# Altium PCB ssmaster.PcbDoc (part 1 of 3) (continued)
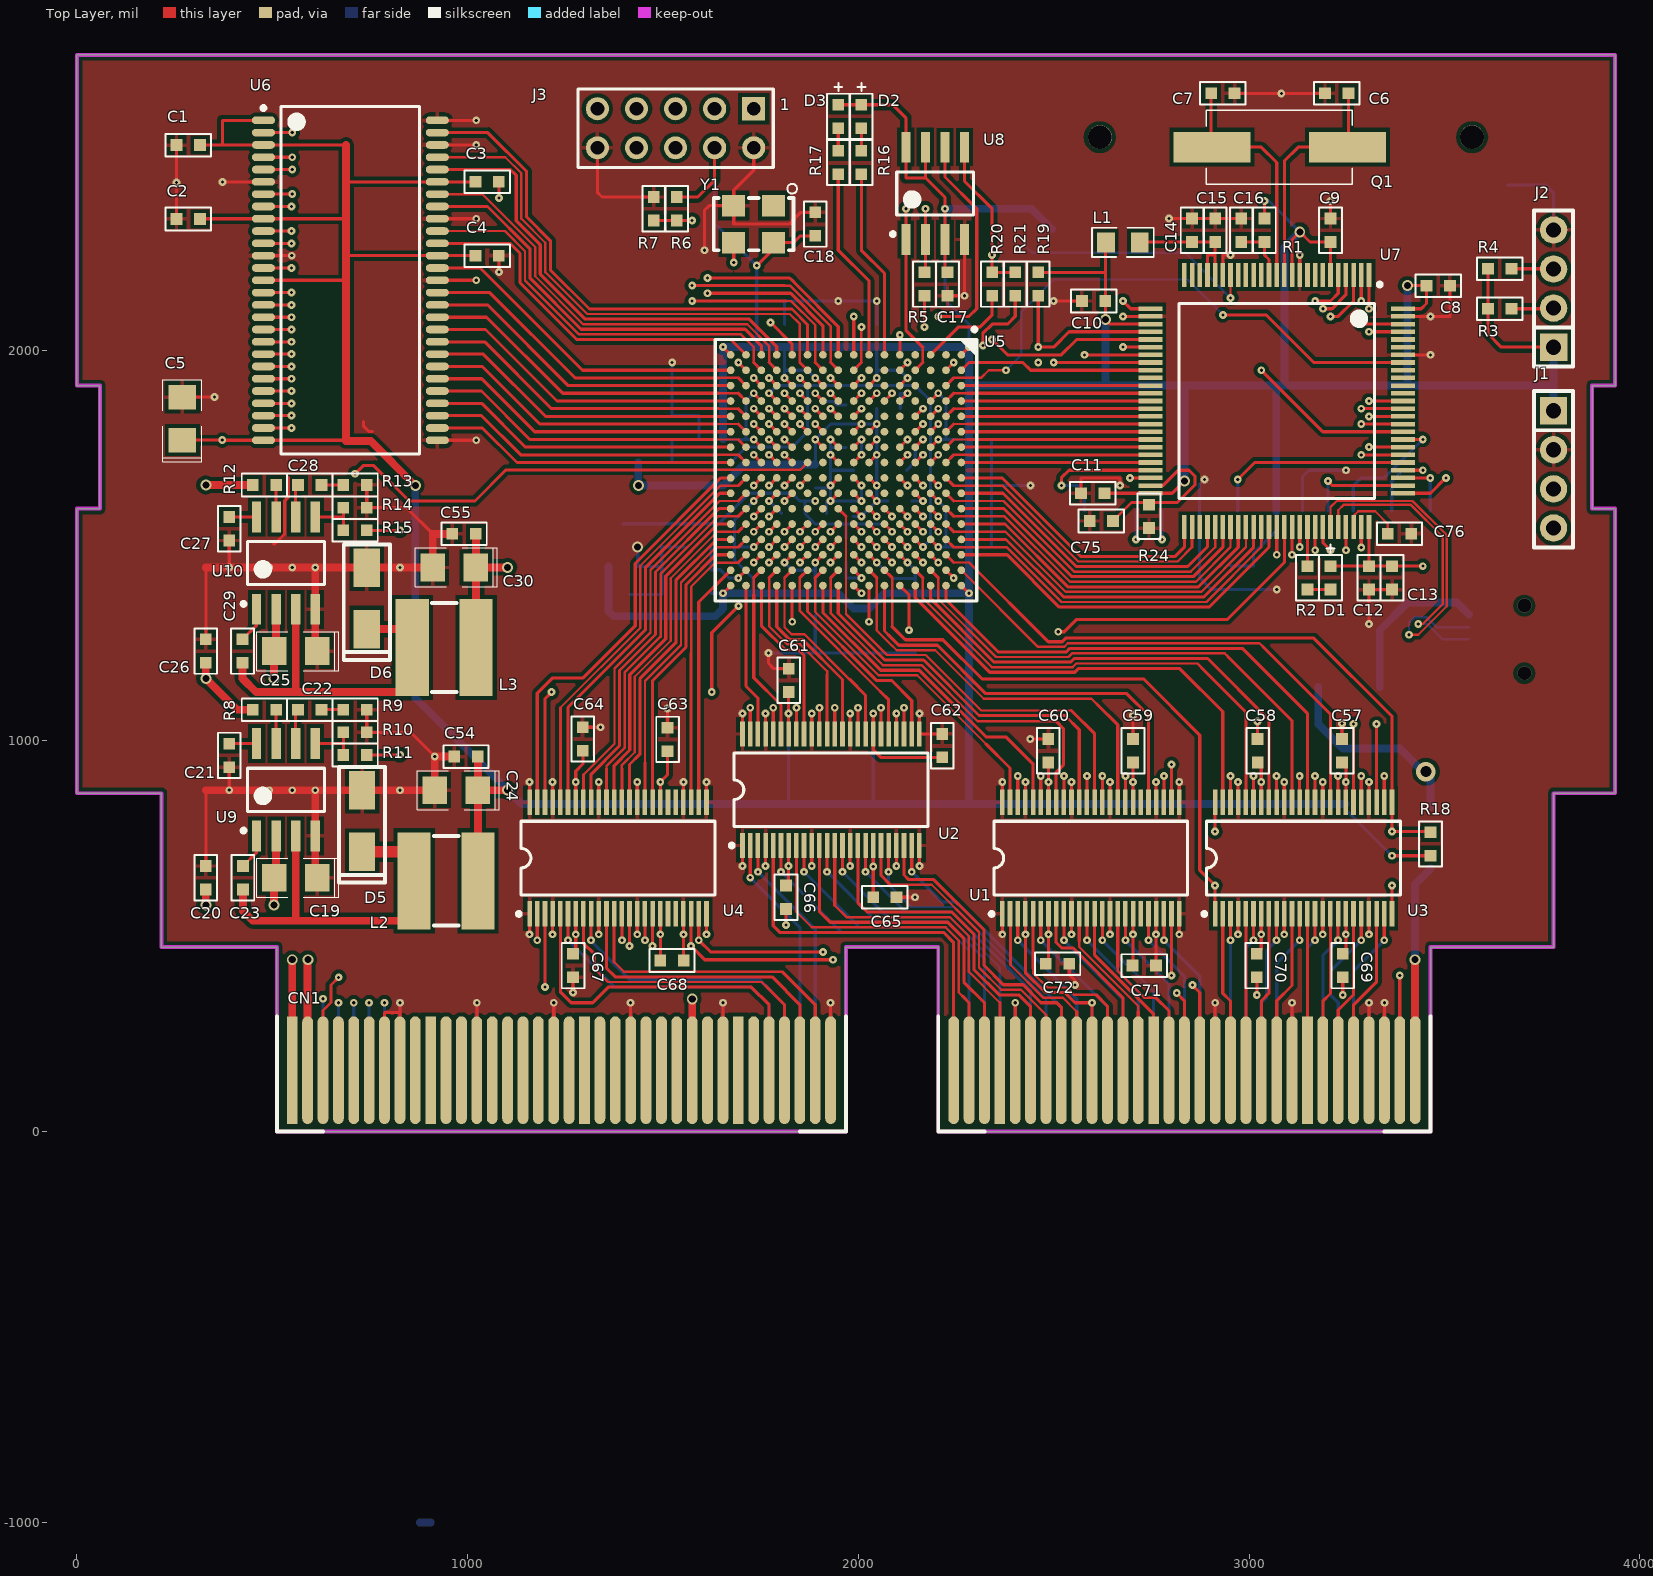
[diagram p0: Top Layer view]
## Components (designator, comment, footprint, x,y, rotation, side; value= is the part's Value field where it differs from the comment) (continued)
U8 "SST25FV080B" SOIC-8 2196.85,2401.57 r90 top
U9 "MP1482" SOIC-8 535,875 r90 top
U10 "MP1482" SOIC-8 535,1455 r90 top
U11 "XC6206" SOT-23 1398,1501 r90 bottom
Y1 "50Mhz" OSC_5032 1732.28,2322.83 r180 top

## Footprints (in the part's own frame and the unit in brackets; to place one, negate y for a bottom-side part, rotate by r counter-clockwise, add the part's x,y. Pads: shape width x height; smd on the part's side, far side on the other; paste and mask are expansions set on the pad)
54_TSOP2_400AF_N [mm] "SOP, 54-Leads, Body 22.5x10.16mm, Pitch 0.8mm, IPC Medium Density"
  oval 1.5x0.5 smd: 1(-5.65,10.4) 2(-5.65,9.6) 3(-5.65,8.8) 4(-5.65,8) 5(-5.65,7.2) 6(-5.65,6.4) 7(-5.65,5.6) 8(-5.65,4.8) 9(-5.65,4) 10(-5.65,3.2) 11(-5.65,2.4) 12(-5.65,1.6) 13(-5.65,0.8) 14(-5.65,0) 15(-5.65,-0.8) 16(-5.65,-1.6) 17(-5.65,-2.4) 18(-5.65,-3.2) 19(-5.65,-4) 20(-5.65,-4.8) 21(-5.65,-5.6) 22(-5.65,-6.4) 23(-5.65,-7.2) 24(-5.65,-8) 25(-5.65,-8.8) 26(-5.65,-9.6) 27(-5.65,-10.4) 28(5.65,-10.4) 29(5.65,-9.6) 30(5.65,-8.8) 31(5.65,-8) 32(5.65,-7.2) 33(5.65,-6.4) 34(5.65,-5.6) 35(5.65,-4.8) 36(5.65,-4) 37(5.65,-3.2) 38(5.65,-2.4) 39(5.65,-1.6) 40(5.65,-0.8) 41(5.65,0) 42(5.65,0.8) 43(5.65,1.6) 44(5.65,2.4) 45(5.65,3.2) 46(5.65,4) 47(5.65,4.8) 48(5.65,5.6) 49(5.65,6.4) 50(5.65,7.2) 51(5.65,8) 52(5.65,8.8) 53(5.65,9.6) 54(5.65,10.4)
  silkscreen extent -5.77,-11.3 4.5,11.32, body extent -5.08,-11.23 5.08,11.23, height 1.2
C0603 [mil]
  rect 30x30 smd: 1(30,0) 2(-30,0)
  silkscreen extent -58,-29 58,29, body extent -32,-16 31,16, height 35
C1206 [mm]
  rect 1.6x1.8 smd: 1(-1.4,0) 2(1.4,0)
  silkscreen extent -2.8,-1.27 2.54,1.27, body extent -1.57,-0.81 1.63,0.8, height 1.02
CDRH5D28 [mm]
  rect 6.3x2.15 smd: 1(0,2.075) 2(0,-2.075)
  silkscreen extent -2.9,-0.8 2.9,0.8
D0603 [mil]
  rect 30x30 smd: 1(30,0) 2(-30,0)
  silkscreen extent -58,-29 85,29, body extent -32,-16 31,16, height 35
DGG048 [mm] "Shrink Small Outline; 48 Leads; Body Width 6.1 mm; Pitch 0.5 mm"
  rect 0.3x1.65 smd: 1(-5.75,-3.625) 2(-5.25,-3.625) 3(-4.75,-3.625) 4(-4.25,-3.625) 5(-3.75,-3.625) 6(-3.25,-3.625) 7(-2.75,-3.625) 8(-2.25,-3.625) 9(-1.75,-3.625) 10(-1.25,-3.625) 11(-0.75,-3.625) 12(-0.25,-3.625) 13(0.25,-3.625) 14(0.75,-3.625) 15(1.25,-3.625) 16(1.75,-3.625) 17(2.25,-3.625) 18(2.75,-3.625) 19(3.25,-3.625) 20(3.75,-3.625) 21(4.25,-3.625) 22(4.75,-3.625) 23(5.25,-3.625) 24(5.75,-3.625) 25(5.75,3.625) 26(5.25,3.625) 27(4.75,3.625) 28(4.25,3.625) 29(3.75,3.625) 30(3.25,3.625) 31(2.75,3.625) 32(2.25,3.625) 33(1.75,3.625) 34(1.25,3.625) 35(0.75,3.625) 36(0.25,3.625) 37(-0.25,3.625) 38(-0.75,3.625) 39(-1.25,3.625) 40(-1.75,3.625) 41(-2.25,3.625) 42(-2.75,3.625) 43(-3.25,3.625) 44(-3.75,3.625) 45(-4.25,3.625) 46(-4.75,3.625) 47(-5.25,3.625) 48(-5.75,3.625)
  silkscreen extent -6.57,-3.75 6.3,2.4
FBGA256 [mm] "BGA, 256-Leads, Body 17x17mm, Pitch 1mm"
  round 0.5 smd: A1(-7.5,7.5) A2(-6.5,7.5) A3(-5.5,7.5) A4(-4.5,7.5) A5(-3.5,7.5) A6(-2.5,7.5) A7(-1.5,7.5) A8(-0.5,7.5) A9(0.5,7.5) A10(1.5,7.5) A11(2.5,7.5) A12(3.5,7.5) A13(4.5,7.5) A14(5.5,7.5) A15(6.5,7.5) A16(7.5,7.5) B1(-7.5,6.5) B2(-6.5,6.5) B3(-5.5,6.5) B4(-4.5,6.5) B5(-3.5,6.5) B6(-2.5,6.5) B7(-1.5,6.5) B8(-0.5,6.5) B9(0.5,6.5) B10(1.5,6.5) B11(2.5,6.5) B12(3.5,6.5) B13(4.5,6.5) B14(5.5,6.5) B15(6.5,6.5) B16(7.5,6.5) C1(-7.5,5.5) C2(-6.5,5.5) C3(-5.5,5.5) C4(-4.5,5.5) C5(-3.5,5.5) C6(-2.5,5.5) C7(-1.5,5.5) C8(-0.5,5.5) C9(0.5,5.5) C10(1.5,5.5) C11(2.5,5.5) C12(3.5,5.5) C13(4.5,5.5) C14(5.5,5.5) C15(6.5,5.5) C16(7.5,5.5) D1(-7.5,4.5) D2(-6.5,4.5) D3(-5.5,4.5) D4(-4.5,4.5) D5(-3.5,4.5) D6(-2.5,4.5) D7(-1.5,4.5) D8(-0.5,4.5) D9(0.5,4.5) D10(1.5,4.5) D11(2.5,4.5) D12(3.5,4.5) D13(4.5,4.5) D14(5.5,4.5) D15(6.5,4.5) D16(7.5,4.5) E1(-7.5,3.5) E2(-6.5,3.5) E3(-5.5,3.5) E4(-4.5,3.5) E5(-3.5,3.5) E6(-2.5,3.5) E7(-1.5,3.5) E8(-0.5,3.5) E9(0.5,3.5) E10(1.5,3.5) E11(2.5,3.5) E12(3.5,3.5) E13(4.5,3.5) E14(5.5,3.5) E15(6.5,3.5) E16(7.5,3.5) F1(-7.5,2.5) F2(-6.5,2.5) F3(-5.5,2.5) F4(-4.5,2.5) F5(-3.5,2.5) F6(-2.5,2.5) F7(-1.5,2.5) F8(-0.5,2.5) F9(0.5,2.5) F10(1.5,2.5) F11(2.5,2.5) F12(3.5,2.5) F13(4.5,2.5) F14(5.5,2.5) F15(6.5,2.5) F16(7.5,2.5) G1(-7.5,1.5) G2(-6.5,1.5) G3(-5.5,1.5) G4(-4.5,1.5) G5(-3.5,1.5) G6(-2.5,1.5) G7(-1.5,1.5) G8(-0.5,1.5) G9(0.5,1.5) G10(1.5,1.5) G11(2.5,1.5) G12(3.5,1.5) G13(4.5,1.5) G14(5.5,1.5) G15(6.5,1.5) G16(7.5,1.5) H1(-7.5,0.5) H2(-6.5,0.5) H3(-5.5,0.5) H4(-4.5,0.5) H5(-3.5,0.5) H6(-2.5,0.5) H7(-1.5,0.5) H8(-0.5,0.5) H9(0.5,0.5) H10(1.5,0.5) H11(2.5,0.5) H12(3.5,0.5) H13(4.5,0.5) H14(5.5,0.5) H15(6.5,0.5) H16(7.5,0.5) J1(-7.5,-0.5) J2(-6.5,-0.5) J3(-5.5,-0.5) J4(-4.5,-0.5) J5(-3.5,-0.5) J6(-2.5,-0.5) J7(-1.5,-0.5) J8(-0.5,-0.5) J9(0.5,-0.5) J10(1.5,-0.5) J11(2.5,-0.5) J12(3.5,-0.5) J13(4.5,-0.5) J14(5.5,-0.5) J15(6.5,-0.5) J16(7.5,-0.5) K1(-7.5,-1.5) K2(-6.5,-1.5) K3(-5.5,-1.5) K4(-4.5,-1.5) K5(-3.5,-1.5) K6(-2.5,-1.5) K7(-1.5,-1.5) K8(-0.5,-1.5) K9(0.5,-1.5) K10(1.5,-1.5) K11(2.5,-1.5) K12(3.5,-1.5) K13(4.5,-1.5) K14(5.5,-1.5) K15(6.5,-1.5) K16(7.5,-1.5) L1(-7.5,-2.5) L2(-6.5,-2.5) L3(-5.5,-2.5) L4(-4.5,-2.5) L5(-3.5,-2.5) L6(-2.5,-2.5) L7(-1.5,-2.5) L8(-0.5,-2.5) L9(0.5,-2.5) L10(1.5,-2.5) L11(2.5,-2.5) L12(3.5,-2.5) L13(4.5,-2.5) L14(5.5,-2.5) L15(6.5,-2.5) L16(7.5,-2.5) M1(-7.5,-3.5) M2(-6.5,-3.5) M3(-5.5,-3.5) M4(-4.5,-3.5) M5(-3.5,-3.5) M6(-2.5,-3.5) M7(-1.5,-3.5) M8(-0.5,-3.5) M9(0.5,-3.5) M10(1.5,-3.5) M11(2.5,-3.5) M12(3.5,-3.5) M13(4.5,-3.5) M14(5.5,-3.5) M15(6.5,-3.5) M16(7.5,-3.5) N1(-7.5,-4.5) N2(-6.5,-4.5) N3(-5.5,-4.5) N4(-4.5,-4.5) N5(-3.5,-4.5) N6(-2.5,-4.5) N7(-1.5,-4.5) N8(-0.5,-4.5) N9(0.5,-4.5) N10(1.5,-4.5) N11(2.5,-4.5) N12(3.5,-4.5) N13(4.5,-4.5) N14(5.5,-4.5) N15(6.5,-4.5) N16(7.5,-4.5) P1(-7.5,-5.5) P2(-6.5,-5.5) P3(-5.5,-5.5) P4(-4.5,-5.5) P5(-3.5,-5.5) P6(-2.5,-5.5) P7(-1.5,-5.5) P8(-0.5,-5.5) P9(0.5,-5.5) P10(1.5,-5.5) P11(2.5,-5.5) P12(3.5,-5.5) P13(4.5,-5.5) P14(5.5,-5.5) P15(6.5,-5.5) P16(7.5,-5.5) R1(-7.5,-6.5) R2(-6.5,-6.5) R3(-5.5,-6.5) R4(-4.5,-6.5) R5(-3.5,-6.5) R6(-2.5,-6.5) R7(-1.5,-6.5) R8(-0.5,-6.5) R9(0.5,-6.5) R10(1.5,-6.5) R11(2.5,-6.5) R12(3.5,-6.5) R13(4.5,-6.5) R14(5.5,-6.5) R15(6.5,-6.5) R16(7.5,-6.5) T1(-7.5,-7.5) T2(-6.5,-7.5) T3(-5.5,-7.5) T4(-4.5,-7.5) T5(-3.5,-7.5) T6(-2.5,-7.5) T7(-1.5,-7.5) T8(-0.5,-7.5) T9(0.5,-7.5) T10(1.5,-7.5) T11(2.5,-7.5) T12(3.5,-7.5) T13(4.5,-7.5) T14(5.5,-7.5) T15(6.5,-7.5) T16(7.5,-7.5)
  silkscreen extent -9.27,-8.5 8.5,8.5, body extent -8.5,-8.5 8.5,8.5, height 2.2
HDR2X5 [mm] "Connector; Header; 5x2 Position"
  rect 1.5x1.5 hole 0.9: 1(0,0)
  round 1.5 hole 0.9: 2(0,2.54) 3(2.54,0) 4(2.54,2.54) 5(5.08,0) 6(5.08,2.54) 7(7.62,0) 8(7.62,2.54) 9(10.16,0) 10(10.16,2.54)
  silkscreen extent -1.27,-1.27 11.43,3.81
KSDC012551 [mm] "SD Card socket"
  rrect50% 1.16x2.5 smd: 1(6.48,12.15) 2(3.98,12.15) 3(0.68,12.15) 4(-1.03,12.15) 5(-3.53,12.15) 6(-6.03,12.15) 7(-8.45,12.15) 8(-10.15,12.15) 9(8.98,12.15) 10(2.33,12.15) 11(-13.5,12.15)
  rrect50% 1.8x3.048 smd: 12(-14,-10.05) 13(14,-9.05)
  round 1.55 hole 1.55 unplated: MH1(-12.5,-12.15) MH2(11.7,-12.15)
  silkscreen extent -14.22,-17.4 14.22,11.4, body extent -14.4,-21.53 14.32,12.74, height 2.9
"Micro USB" [mm]
  rect 2.4x0.4 smd: 1(3.1,1.6) 2(3.1,0.8) 3(3.1,0) 4(3.1,-0.8) 5(3.1,-1.6)
  rect 1.6x1.8 smd: 6(2.3,-4.5) 7(2.3,4.5) 8(-3.1,4.5) 9(-3.1,-4.5)
  silkscreen extent -5.97,-4.52 3.1,4.52, body extent -5.92,-5.32 3.28,5.38, height 3.95
OSC_5032 [mm]
  rect 1.5x1.4 smd: 1(-1.3,-1.2) 2(1.3,-1.2) 3(1.3,1.2) 4(-1.3,1.2)
  silkscreen extent -2.82,-2.62 2.6,1.7
R0603 [mil]
  rect 30x30 smd: 1(30,0) 2(-30,0)
  silkscreen extent -58,-29 58,29, body extent -32,-16 31,16, height 36
R0805 [mm]
  rect 1.15x1.3 smd: 1(-1.1,0) 2(1.1,0)
  silkscreen extent -2.01,-0.94 2.01,0.97, body extent -1,-0.61 1,0.6, height 0.5
SATURN_CART [mm]
  rect 0.7x7 smd far side: A1(0,0) A10(9,0) A20(19,0) A30(29,0) A40(46,0) A50(56,0) A60(66,0)
  oval 0.7x7 smd far side: A2(1,0) A3(2,0) A4(3,0) A5(4,0) A6(5,0) A7(6,0) A8(7,0) A9(8,0) A11(10,0) A12(11,0) A13(12,0) A14(13,0) A15(14,0) A16(15,0) A17(16,0) A18(17,0) A19(18,0) A21(20,0) A22(21,0) A23(22,0) A24(23,0) A25(24,0) A26(25,0) A27(26,0) A28(27,0) A29(28,0) A31(30,0) A32(31,0) A33(32,0) A34(33,0) A35(34,0) A36(35,0) A37(43,0) A38(44,0) A39(45,0) A41(47,0) A42(48,0) A43(49,0) A44(50,0) A45(51,0) A46(52,0) A47(53,0) A48(54,0) A49(55,0) A51(57,0) A52(58,0) A53(59,0) A54(60,0) A55(61,0) A56(62,0) A57(63,0) A58(64,0) A59(65,0) A61(67,0) A62(68,0) A63(69,0) A64(70,0) A65(71,0) A66(72,0) A67(73,0)
  rect 0.7x7 smd: B1(0,0) B10(9,0) B20(19,0) B30(29,0) B40(46,0) B50(56,0) B60(66,0)
  oval 0.7x7 smd: B2(1,0) B3(2,0) B4(3,0) B5(4,0) B6(5,0) B7(6,0) B8(7,0) B9(8,0) B11(10,0) B12(11,0) B13(12,0) B14(13,0) B15(14,0) B16(15,0) B17(16,0) B18(17,0) B19(18,0) B21(20,0) B22(21,0) B23(22,0) B24(23,0) B25(24,0) B26(25,0) B27(26,0) B28(27,0) B29(28,0) B31(30,0) B32(31,0) B33(32,0) B34(33,0) B35(34,0) B36(35,0) B37(43,0) B38(44,0) B39(45,0) B41(47,0) B42(48,0) B43(49,0) B44(50,0) B45(51,0) B46(52,0) B47(53,0) B48(54,0) B49(55,0) B51(57,0) B52(58,0) B53(59,0) B54(60,0) B55(61,0) B56(62,0) B57(63,0) B58(64,0) B59(65,0) B61(67,0) B62(68,0) B63(69,0) B64(70,0) B65(71,0) B66(72,0) B67(73,0)
  silkscreen extent -1,-4 74,3.5
SIP4 [mil]
  rect 70x70 hole 39: 1(0,0)
  round 70 hole 39: 2(100,0) 3(200,0) 4(300,0)
  silkscreen extent -50,-50 350,50
SMA [mm]
  rect 2.5x1.7 smd: 1(2,0) 2(-2,0)
  silkscreen extent -4,-1.5 3.5,1.5
SMD_CRYSTAL [mm]
  rect 5x2 smd: 1(-4.407,0) 2(4.407,0)
  silkscreen extent -4.79,-2.4 4.71,2.4, body extent -6.75,-2.46 6.65,2.44, height 4
SOIC-8 [mm]
  rect 2x0.6 smd: 1(-3,1.905) 2(-3,0.635) 3(-3,-0.635) 4(-3,-1.905) 5(3,-1.905) 6(3,-0.635) 7(3,0.635) 8(3,1.905)
  silkscreen extent -2.77,-2.5 1.4,2.88, body extent -3.05,-2.44 3.05,2.46, height 1.51
SOT-23 [mm]
  rect 1.25x0.85 smd: 1(-1.395,0.95) 2(1.395,0) 3(-1.395,-0.95)
  silkscreen extent -1.42,-1.5 0.7,2.05, body extent -1.12,-1.47 1.17,1.45, height 1.04
TQFP-100 [mm]
  rect 1.55x0.3 smd: 1(-8.2,6) 2(-8.2,5.5) 3(-8.2,5) 4(-8.2,4.5) 5(-8.2,4) 6(-8.2,3.5) 7(-8.2,3) 8(-8.2,2.5) 9(-8.2,2) 10(-8.2,1.5) 11(-8.2,1) 12(-8.2,0.5) 13(-8.2,0) 14(-8.2,-0.5) 15(-8.2,-1) 16(-8.2,-1.5) 17(-8.2,-2) 18(-8.2,-2.5) 19(-8.2,-3) 20(-8.2,-3.5) 21(-8.2,-4) 22(-8.2,-4.5) 23(-8.2,-5) 24(-8.2,-5.5) 25(-8.2,-6) 51(8.2,-6) 52(8.2,-5.5) 53(8.2,-5) 54(8.2,-4.5) 55(8.2,-4) 56(8.2,-3.5) 57(8.2,-3) 58(8.2,-2.5) 59(8.2,-2) 60(8.2,-1.5) 61(8.2,-1) 62(8.2,-0.5) 63(8.2,0) 64(8.2,0.5) 65(8.2,1) 66(8.2,1.5) 67(8.2,2) 68(8.2,2.5) 69(8.2,3) 70(8.2,3.5) 71(8.2,4) 72(8.2,4.5) 73(8.2,5) 74(8.2,5.5) 75(8.2,6)
  rect 0.3x1.55 smd: 26(-6,-8.2) 27(-5.5,-8.2) 28(-5,-8.2) 29(-4.5,-8.2) 30(-4,-8.2) 31(-3.5,-8.2) 32(-3,-8.2) 33(-2.5,-8.2) 34(-2,-8.2) 35(-1.5,-8.2) 36(-1,-8.2) 37(-0.5,-8.2) 38(0,-8.2) 39(0.5,-8.2) 40(1,-8.2) 41(1.5,-8.2) 42(2,-8.2) 43(2.5,-8.2) 44(3,-8.2) 45(3.5,-8.2) 46(4,-8.2) 47(4.5,-8.2) 48(5,-8.2) 49(5.5,-8.2) 50(6,-8.2) 76(6,8.2) 77(5.5,8.2) 78(5,8.2) 79(4.5,8.2) 80(4,8.2) 81(3.5,8.2) 82(3,8.2) 83(2.5,8.2) 84(2,8.2) 85(1.5,8.2) 86(1,8.2) 87(0.5,8.2) 88(0,8.2) 89(-0.5,8.2) 90(-1,8.2) 91(-1.5,8.2) 92(-2,8.2) 93(-2.5,8.2) 94(-3,8.2) 95(-3.5,8.2) 96(-4,8.2) 97(-4.5,8.2) 98(-5,8.2) 99(-5.5,8.2) 100(-6,8.2)
  silkscreen extent -7.7,-6.35 6.35,6.83, body extent -8.03,-8.03 8.03,8.02, height 1.76

## Part data
C1 C2 C3 C4 C5 C6 C7 C8 C9 C10 C11 C12 C13 C14 C15 C16 C17 C18 C19 C20 C21 C22 C23 C24 C25 C26 C27 C28 C29 C30 C31 C32 C33 C34 C35 C36 C37 C38 C39 C40 C41 C42 C43 C44 C45 C46 C47 C48 C49 C50 C51 C52 C53 C54 C55 C56 C57 C58 C59 C60 C61 C62 C63 C64 C65 C66 C67 C68 C69 C70 C71 C72 C73 C74 C75 C76: library part Cap, "Capacitor"
D1 D2 D3: library part LED1, "Typical RED GaAs LED"
D5 D6 D7 D8: library part "DIODE SCHOTTKY", "Schottky Diode"
J1 J2: library part SIP4
J3: library part "Header 5X2", "Header, 5-Pin, Dual row"
J4: library part KSDC012551-9, "Secure Digital Card Socket"
J5: "USB On-The-Go (OTG) Mini-B Receptacle, Right Angle, SMT, 0.80mm (.031\") Pitch, Solder Tabs with Back Cover, Recessed Type"
L1 L2 L3 L4: library part Inductor, "Inductor"
Q1: library part XTAL, "Crystal Oscillator"
R1 R2 R3 R4 R5 R6 R7 R8 R9 R10 R11 R12 R13 R14 R15 R16 R17 R18 R19 R20 R21 R22 R23 R24: library part Res2, "Resistor"
U5: "Cyclone IV Family FPGA, 2V Core, 179 I/O Pins, 2 PLLs, 256-Pin FBGA, Speed Grade 8, Commercial Grade"
U6: "512Mb Synchronous High Data Rate DRAM, 8Mb x 16Bit x 4 Banks, 54-Pin TSOP"
U11: "LDO"
Y1: library part JZSMD5X7

## Via types
v1: diameter 20, hole 8, Top Layer to Bottom Layer, 430 vias
v2: diameter 28, hole 18, Top Layer to Bottom Layer, 18 vias
v3: diameter 35.43, hole 35.43, Top Layer to Bottom Layer, 2 vias
v4: diameter 50, hole 28, Top Layer to Bottom Layer, 1 vias

## Nets (pads, with @x,y where several pads share a name; then routed paths per layer and width w, separated by ;. In a path a pad name is that pad's centre, name@x,y a point inside that pad or via, vN(x,y) a via of type N, cw(c..) or ccw(c..) an arc to the next point about the centre after c; other vN are vias at no path point)
1V2: C30.1 C33.2 C34.2 C35.2 C36.2 C37.2 C38.2 C55.2 L3.2 L4.1 R15.1 U5.G6 U5.G7 U5.G8 U5.G9 U5.G10 U5.H6 U5.H11 U5.K7 | length 2583.1
  Top Layer w8: R15.1@742,1539 v1@826.4,1539 ; v1(1889.76,1771.65) U5.K7@1909.45,1751.97 ; U5.H11@1988.19,1594.49 v1(2007.87,1574.8) ; U5.H6@1988.19,1791.34 v1(2007.87,1811.02) ; U5.G10@2027.56,1633.86 v1(2047.24,1614.17) ; U5.G9@2027.56,1673.23 v1(2047.24,1653.54) ; U5.G8@2027.56,1712.6 v1(2047.24,1732.28) ; U5.G7@2027.56,1751.97 v1(2047.24,1771.65) ; U5.G6@2027.56,1791.34 v1(2047.24,1811.02)
  Top Layer w20: C30.1@1021.12,1444 C30.1@1021.69,1444 ; L3.2@1021.69,1239 C30.1@1021.69,1444 ; C55.2@1021.69,1529.31 C30.1@1021.69,1444 ; v2(1102.36,1444) C30.1@1021.69,1444
  Mid-Layer 1 w8: v1(826.77,1539.37) 922.14,1444 v2(1102.36,1444)
  Mid-Layer 1 w20: v2(1102.36,1444) 1102.36,1535.43 1220.47,1653.54 v2(1437.01,1653.54)
  Bottom Layer w8: v1(1889.76,1771.65) 1929.21,1811.1 C35.2@1968.5,1811.1 ; C37.2@1890,1707.44 v1@1890,1771.42 ; C35.2@1968.5,1811.02 v1(2007.87,1811.02) v1(2047.24,1811.02) ; C38.2@1986.69,1574.8 v1(2007.87,1574.8) v1(2047.24,1614.17) ; C33.2@2047.24,1850.39 v1(2047.24,1811.02) ; C34.2@2076.3,1614.17 v1(2047.24,1614.17) ; v1(2047.24,1614.17) v1(2047.24,1653.54) v1(2047.24,1732.28) v1(2047.24,1771.65) v1(2047.24,1811.02)
  Bottom Layer w20: L4.1@1437.01,1712.6 v2(1437.01,1653.54) 1653.54,1653.54 1707.44,1707.44 C37.2@1890,1707.44
2V5: C32.2 C52.2 C53.2 C56.2 U5.F12 U5.L5 U11.2 | length 1158.6
  Top Layer w8: v1(1850.39,1850.39) U5.L5@1870.08,1830.71 ; U5.F12@2066.93,1555.12 v1(2086.62,1535.43)
  Mid-Layer 1 w6: 1850.39,1838.58 1870.08,1818.9 1870.08,1791.34
  Mid-Layer 1 w8: 1850.39,1838.58 v1(1850.39,1850.39) ; 1870.08,1791.34 1870.08,1779.53 1862.2,1771.65 1862.2,1685.04 1889.76,1657.48 v1(1889.76,1614.17)
  Bottom Layer w8: U11.2@1398,1555.92 1642.54,1555.92 1720.47,1633.86 1830.71,1633.86 1850.39,1614.17 1864,1614.17 ; v1(1889.76,1614.17) 1864,1614.17 ; C53.2@1968.5,1518.19 1968.5,1555.12 ; v1(2086.62,1535.43) 2066.93,1555.12 1889.76,1555.12 1865,1579.88 C52.2@1865,1582 1864,1583 1864,1614.17
3V3: C1.2 C2.2 C3.2 C4.2 C5.1 C8.2 C9.2 C10.2 C11.2 C12.2 C13.2 C17.2 C18.2 C24.1 C31.2 C39.2 C40.2 C41.2 C42.2 C43.2 C44.2 C45.2 C46.2 C47.2 C48.2 C54.2 C57.2 C58.2 C59.2 C60.2 C61.2 C62.2 C63.2 C64.2 C73.2 C74.2 D1.1 D2.1 D3.1 J1.1 J2.1 J3.4 J4.4 L1.1 L2.2 R1.2 R3.2 R4.2 R6.2 R11.1 R18.2 R19.2 R22.2 U1.31 U1.42 U2.31 U2.42 U3.31 U3.42 U4.31 U4.42 U5.A1 U5.A16 U5.C4 U5.C7 U5.C10 U5.C13 U5.E3 U5.E14 U5.G3 U5.G14 U5.K3 U5.K14 U5.M3 U5.M14 U5.P4 U5.P7 U5.P10 U5.P13 U5.T1 U5.T16 U6.1 U6.3 U6.9 U6.14 U6.27 U6.43 U6.49 U7.6 U7.11 U7.28 U7.50 U7.75 U7.100 U8.3 U8.7 U8.8 U11.3 Y1.4 | length 22627
  Top Layer w8: C5.1@270,1769.88 v1(372.11,1769.88) ; C1.2@315.46,2525.46 372.44,2525.46 ; C2.2@315.48,2336.48 U6.9@477.56,2336.48 687.14,2336.48 ; v1@372.44,1769.55 U6.27@477.56,1769.55 687.14,1769.55 ; U6.14@477.56,2179 686.87,2179 ; U6.1@477.56,2588.45 372.44,2588.45 372.44,2525.46 ; 687.14,2525.46 U6.3@477.56,2525.46 372.44,2525.46 ; 690.81,2241.99 U6.43@922.44,2241.99 C4.2@1020,2242 ; 691.08,2430.97 U6.49@922.44,2430.97 C3.2@1020,2431 ; R11.1@742,964 v1@826.21,964 ; U4.42@1276.73,842.72 v1(1276.73,895) 1276.73,922.73 1295,941 C64.2@1295,975 ; U4.31@1493.27,842.72 v1(1493.27,895) 1511.81,913.54 C63.2@1511.81,973.94 ; R6.2@1535.43,2392.2 1589.06,2392.2 1632.28,2435.43 J3.4@1632.28,2518.11 ; v1(1653.54,1377.95) U5.T16@1673.23,1397.64 ; v1(1653.54,2007.88) U5.T1@1673.23,1988.19 ; v1(1732.28,1496.06) U5.P13@1751.97,1515.75 ; v1(1732.28,1614.17) U5.P10@1751.97,1633.86 ; v1(1732.28,1771.65) U5.P7@1751.97,1751.97 ; v1(1732.28,1889.76) U5.P4@1751.97,1870.08 ; v1(1740.16,2216.54) 1783.46,2259.84 Y1.4@1783.46,2275.59 1834.65,2275.59 1851.89,2292.83 C18.2@1889.76,2292.83 ; v1(1811.02,1456.69) U5.M14@1830.71,1476.38 ; v1(1811.02,1929.13) U5.M3@1830.71,1909.45 ; U2.42@1821.73,1017.72 v1(1821.73,1070) C61.2@1821.73,1124.73 ; v1(1889.76,1456.69) U5.K14@1909.45,1476.38 ; v1(1889.76,1929.13) U5.K3@1909.45,1909.45 ; D3.1@1948.82,2628.43 2088.11,2628.43 2121.85,2594.68 U8.8@2121.85,2519.68 2121.85,2441.14 2171.85,2441.14 ; U5.G14@2027.56,1476.38 v1(2047.24,1456.69) ; U5.G3@2027.56,1909.45 v1(2047.24,1929.13) ; v1(2038.27,1070) U2.31@2038.27,1017.72 2038.27,977 2057.27,958 C62.2@2215,958 ; U5.E14@2106.3,1476.38 v1(2125.99,1456.69) ; U5.E3@2106.3,1909.45 v1(2125.99,1929.13) ; U8.7@2171.85,2519.68 2171.85,2441.14 ; U5.C13@2185.04,1515.75 v1(2204.73,1496.06) ; U5.C10@2185.04,1633.86 v1(2204.73,1614.17) ; U5.C7@2185.04,1751.97 v1(2204.73,1771.65) ; U5.C4@2185.04,1870.08 v1(2204.73,1889.76) ; C17.2@2221.85,2205.79 U8.3@2221.85,2283.46 v1(2221.85,2362.2) 2221.85,2391.14 2171.85,2441.14 ; U5.A16@2263.78,1397.64 v1(2283.47,1377.95) ; U5.A1@2263.78,1988.19 v1(2283.47,2007.88) ; R19.2@2460.63,2199.29 2629.92,2199.29 ; U1.42@2486.73,842.72 v1(2486.73,895) C60.2@2486.73,944.27 ; C11.2@2630.14,1633.86 U7.50@2748.03,1633.86 2803.15,1633.86 v2(2834.65,1665.35) ; L1.1@2632.36,2274.09 C10.2@2632.36,2125.98 v2(2632.36,2078.74) 2644.17,2066.93 U7.28@2748.03,2066.93 ; C59.2@2703,945 2703.27,944.73 v1(2703.27,895) U1.31@2703.27,842.72 ; U3.42@3031.23,842.72 v1(3031.23,895) C58.2@3031.23,935.77 ; R1.2@3039.37,2337.09 v1(3039.37,2381.89) ; U7.11@3110.24,2192.91 3110.24,2283.46 v2(3129.92,2303.15) 3155.98,2277.09 C9.2@3208.66,2277.09 U7.6@3208.66,2192.91 ; D1.1@3208.66,1447.32 C12.2@3307.09,1447.32 ; U3.31@3247.77,842.72 v1(3247.77,895) C57.2@3247.77,935.23 ; C12.2@3307.09,1445.09 C12.2@3307.17,1445 ; U7.75@3307.09,1547.24 C12.2@3307.09,1447.32 ; v1(3366.14,706.22) R18.2@3464.57,706.22 ; U7.100@3393.7,2106.3 3440.94,2106.3 3454.25,2119.61 C8.2@3454.25,2165.35 v2(3405.51,2165.35) ; v1(3444.88,1447.32) C13.2@3366.14,1447.32 C12.2@3307.09,1447.32 ; R4.2@3611.73,2208.66 R3.2@3611.73,2106.3 3611.73,2041.81 3645.67,2007.87 J2.1@3779.53,2007.87
  Top Layer w20: 688.97,2525.46 688.97,1767.72 751.97,1767.72 v2(866.14,1653.54) ; C24.1@1026.12,874 v2@1102.35,874 ; L2.2@1026.69,642 C54.2@1026.69,959.31
  Mid-Layer 1 w8: v1(826.77,964.57) 917.32,874.02 v2(1102.36,874.02)
  Mid-Layer 1 w20: v1(3444.88,1447.32) 3493.62,1496.06 3493.62,1564.48 J1.1@3774.27,1845.13
  Bottom Layer w8: 1276.73,839.72 v1(1276.73,895) ; 1493.27,839.72 v1(1493.27,895) ; C39.2@1623,1378 v1(1653.54,1377.95) ; J3.4@1632.28,2518.11 1632.28,2324.41 v1(1740.16,2216.54) 1740.16,2007.88 ; C40.2@1655.04,1771.65 1712.6,1771.65 ; 1730.79,1379.45 1730.79,1415.83 1683.54,1463.07 C41.2@1683.54,1496.06 ; v1(1732.28,1496.06) C41.2@1683.54,1496.06 ; v1(1732.28,1614.17) 1683.54,1565.43 C41.2@1683.54,1496.06 ; v1(1732.28,1771.65) 1712.6,1771.65 ; v1(1732.28,1889.76) 1712.6,1870.08 1712.6,1771.65 ; v1(1811.02,1456.69) 1830.71,1437.01 1889.76,1437.01 ; v1(1811.02,1929.13) 1811.02,1948.82 ; C47.2@1811.02,2005.43 1811.02,1948.82 ; 1821.73,841.42 v1(1821.73,1070) ; C42.2@1889.76,1380.39 1889.76,1437.01 ; v1(1889.76,1456.69) 1889.76,1437.01 ; v1(1889.76,1929.13) 1870.08,1948.82 1811.02,1948.82 ; 2038.27,841.42 v1(2038.27,1070) ; v1(2047.24,1456.69) 2088.11,1415.83 2145.67,1415.83 ; v1(2047.24,1929.13) 2047.24,1948.82 ; C46.2@2047.24,2005.43 2047.24,1948.82 ; v1(2125.99,1456.69) 2145.67,1437.01 C43.2@2145.67,1380.39 ; v1(2125.99,1929.13) 2106.3,1948.82 2047.24,1948.82 ; v1(2204.73,1496.06) 2224.41,1496.06 ; v1(2204.73,1614.17) 2224.41,1594.49 2224.41,1496.06 ; v1(2204.73,1771.65) 2224.41,1771.65 ; v1(2204.73,1889.76) 2224.41,1870.08 2224.41,1771.65 ; v1(2221.85,2362.2) 2221.85,2128.54 2283.47,2066.93 v1(2283.47,2007.88) ; 2265.27,1496.06 2224.41,1496.06 ; 2265.28,1771.65 2224.41,1771.65 ; 2486.73,840.04 v1(2486.73,895) ; 2703.27,840.04 v1(2703.27,895) ; C74.2@2952.76,1447.32 C73.2@3011.81,1447.32 3011.81,1480.32 3069.68,1538.19 J4.4@3069.68,1588.58 ; 3031.23,838.85 v1(3031.23,895) ; v1(3039.37,2381.89) 3051.19,2381.89 v2(3129.92,2303.15) ; v1(3247.77,895) 3247.77,838.58 3247.77,824.59 v1(3366.14,706.22)
  Bottom Layer w20: v2(866.14,1653.54) 866.14,1110.24 v2(1102.36,874.02) 1137.8,838.58 3247.77,838.58 ; U11.3@1360.6,1446.08 1360.6,1332.31 1374.02,1318.9 1633.86,1318.9 1653.54,1338.58 v1(1653.54,1377.95) 1948.82,1377.95 1988.19,1338.58 2027.56,1338.58 2066.93,1377.95 v1(2283.47,1377.95) ; C40.2@1653.54,1773.15 v1(1653.54,2007.88) 1740.16,2007.88 C46.2@2047.24,2007.88 ; C46.2@2049.69,2007.88 v1(2283.47,2007.88) 2283.47,1909.45 ; v1(2221.85,2362.2) 2443.39,2362.2 R22.2@2496.06,2309.53 ; 2283.47,838.58 v1(2283.47,1377.95) ; 2632.36,1910.94 v2(2632.36,2078.74) ; v2(2834.65,1665.35) 2834.65,1909.45 ; J4.4@3069.68,1588.58 3069.68,1908.26 ; v2(3129.92,2303.15) 3090.55,2263.77 3090.55,1909.45 ; 3405.51,1909.45 v2(3405.51,2165.35) ; J1.1@3779.46,1845.13 3779.53,1845.2 3779.53,1909.45 ; J2.1@3779.53,2007.87 3779.53,1909.45 ; v1(2283.47,1377.95) 2283.47,1909.45 ; 2283.47,1909.45 2834.65,1909.45 ; 2834.65,1909.45 3090.55,1909.45 ; 3090.55,1909.45 3779.53,1909.45
5V: C19.2 C20.2 C25.2 C26.2 D7.2 D8.2 R8.2 R12.2 U9.2 U10.2 | length 5733.2
  Top Layer w20: v2(330,580) C20.2@330,620 ; C26.2@330,1200 v2(330,1160) 410,1080 R8.2@450,1080 ; v2(330,1655) R12.2@450,1655 ; v2(504.88,580) C19.2@504.88,650 ; v2(504.88,1160) C25.2@504.88,1230 ; C19.2@510,655.12 U9.2@510,756.89 ; C25.2@510,1235.12 U10.2@510,1336.89
  Mid-Layer 1 w20: v2(330,1655) v2(330,1160) ; v2(504.88,1160) v2(330,1160) ; v4(3452.76,921.26) 3452.76,866.14 3417.32,830.71 2834.65,830.71 2795.28,791.34 775.59,791.34 564.25,580 v2(504.88,580) v2(330,580) v2(330,1160)
  Bottom Layer w20: D8.2@3177.17,1137.8 3177.17,1043.31 3240.16,980.32 3386.65,980.32 v4@3448.82,918.15 ; v4@3452.34,921.67 v4(3452.76,921.26) ; D7.2@3464.57,830.71 v4@3464.57,902.4
5V_SATURN: C65.2 C66.2 C67.2 C68.2 C69.2 C70.2 C71.2 C72.2 CN1.A1 CN1.A2 CN1.A27 CN1.A67 CN1.B1 CN1.B2 CN1.B27 CN1.B67 D7.1 U1.7 U1.18 U2.7 U2.18 U3.7 U3.18 U4.7 U4.18 U4.24 | length 7566.7
  Top Layer w8: C67.2@1270,455 1276.73,461.73 v1(1276.73,505) U4.7@1276.73,557.28 ; C68.2@1493.27,438.27 v1(1493.27,505) U4.18@1493.27,557.28 ; v1(1611.38,505) U4.24@1611.38,557.28 ; C66.2@1821.73,636.73 v1(1821.73,680) U2.7@1821.73,732.28 ; C65.2@2038.27,600.27 v1(2038.27,679) U2.18@2038.27,732.28 ; C72.2@2480,430 2486.73,436.73 v1(2486.73,505) U1.7@2486.73,557.28 ; C71.2@2703.27,426.27 v1(2703.27,505) U1.18@2703.27,557.28 ; C70.2@3020,455 3031.23,466.23 v1(3031.23,505) U3.7@3031.23,557.28 ; C69.2@3240,455 3247.77,462.77 v1(3247.77,505) U3.18@3247.77,557.28
  Top Layer w20: CN1.B1@551.18,157.48 v2(551.18,440) ; CN1.B2@590.55,157.48 v2@590.55,440 ; CN1.B27@1574.8,157.48 1574.8,339.8 v2(1575,340) ; CN1.B67@3425.2,157.48 v2(3425.2,440)
  Mid-Layer 1 w6: v1(2486.73,505) 2486.73,481.72 2487.05,481.4 ; 3031.23,480.32 v1(3031.23,505) ; 3247.77,480.32 v1(3247.77,505)
  Mid-Layer 1 w8: v1(1276.73,505) 1276.73,539.27 1611.38,539.27 ; v1(1493.27,505) 1493.27,539 ; 1611.38,538.65 v1(1611.38,505) 1675,441.38 ; v1(1821.73,680) 1822.05,679.68 1822.05,656.4 1821.73,656.09 1821.73,572.25 1876.99,516.99 ; 2038.27,570.27 2038.27,656.09 2038.58,656.4 2038.58,678.68 v1(2038.27,679) ; 2486.73,440.27 2486.73,481.09 2487.05,481.4 ; 2703.27,440.73 2703.27,481.09 2703.58,481.4 2703.58,504.68 v1(2703.27,505) ; 3031.23,440.23 3031.23,480.32 ; 3247.77,440.23 3247.77,480.32
  Mid-Layer 1 w20: v2(551.18,440) v2(591,440) 591,309 630,270 1505,270 v2(1575,340) 1675,440 1800,440 1876.99,516.99 1930,570 ; 1930.65,570 2233,570 2363,440 v2(3425.2,440)
  Bottom Layer w20: CN1.A1@551.18,157.48 v2(551.18,440) ; CN1.A2@590.55,157.48 v2@590.55,440 ; CN1.A27@1574.8,157.48 1574.8,339.8 v2(1575,340) ; CN1.A67@3425.2,157.48 v2(3425.2,440) 3425.2,633.86 D7.1@3464.57,673.23
5V_USB: D8.1 J5.1 | length 416.4
  Bottom Layer w20: D8.1@3334.65,1137.8 3334.65,1283.46 3405.51,1354.33 3531.5,1354.33 J5.1@3562.99,1322.84
AA0: CN1.B45 U1.2 | length 499.8
  Top Layer w6: 2389.99,426.11 2473.1,343 2523.14,343 2559.06,307.09
  Top Layer w8: U1.2@2388.31,557.28 2389.99,555.6 2389.99,426.11 ; CN1.B45@2559.06,157.48 2559.06,307.09
AA1: CN1.A45 U1.3 | length 462.4
  Top Layer w8: v1(2407.99,490) U1.3@2407.99,557.28
  Bottom Layer w8: v1(2407.99,490) 2559.06,338.94 CN1.A45@2559.06,157.48
AA2: CN1.B44 U2.22 | length 832.5
  Top Layer w8: U2.22@2117.01,732.28 2117.01,656.99 2129,645 2193.31,645 2322.1,516.21 2322.1,425.26 2371.36,376 2421.72,376 2467.72,330 2508.31,330 2519.69,318.62 CN1.B44@2519.69,157.48
AA3: CN1.B43 U2.19 | length 841.3
  Top Layer w6: 2082,632 2187.92,632 2309.1,510.83 2309.1,419.88 2365.97,363 2416.33,363 2480.32,299.01
  Top Layer w8: U2.19@2057.95,732.28 2057.95,656.05 2082,632 ; CN1.B43@2480.32,157.48 2480.32,299.01
AA4: CN1.B42 U2.16 | length 914.2
  Top Layer w8: U2.16@1998.9,732.28 1998.9,586.1 2023,562 2239.54,562 2296.1,505.44 2296.1,414.49 2360.59,350 2410.95,350 2440.95,320 CN1.B42@2440.95,157.48
AA5: CN1.B40 U2.13 | length 904.5
  Top Layer w6: 1939.84,579.16 1970,549 2234.15,549 2283.1,500.06 2283.1,409.11 2362.21,330
  Top Layer w8: 1939.84,579.16 U2.13@1939.84,732.28 ; CN1.B40@2362.21,157.48 2362.21,330
AA6: CN1.B39 U2.11 | length 925.9
  Top Layer w8: U2.11@1900.47,732.28 1900.47,563.53 1928,536 2228.77,536 2270.1,494.67 2270.1,382.74 2322.84,330 CN1.B39@2322.84,157.48
AA7: CN1.B38 U2.8 | length 958.5
  Top Layer w6: 1841.42,562.58 1881,523 2223.38,523 2257.1,489.29 2257.1,356.37 2267.01,346.46
  Top Layer w8: 1841.42,562.58 U2.8@1841.42,732.28 ; 2267.01,346.46 2283.47,330 CN1.B38@2283.47,157.48
AA8: CN1.A40 U2.14 | length 834.5
  Top Layer w8: v1(1959.53,665) U2.14@1959.53,732.28
  Bottom Layer w6: 2069.41,555.12 2075.53,549 2234.15,549 2362.21,420.95 2362.21,401.57
  Bottom Layer w8: v1(1959.53,665) 2069.41,555.12 ; CN1.A40@2362.21,157.48 2362.21,401.57
AA9: CN1.A42 U2.17 | length 818.8
  Top Layer w8: v1(2018.58,665) U2.17@2018.58,732.28
  Bottom Layer w8: v1(2018.58,665) 2121.58,562 2239.54,562 2440.95,360.59 CN1.A42@2440.95,157.48
AA10: CN1.A44 U2.23 | length 754.9
  Top Layer w8: v1(2136.69,665) U2.23@2136.69,732.28
  Bottom Layer w8: v1(2136.69,665) 2213.69,588 2250.31,588 2519.69,318.62 CN1.A44@2519.69,157.48
AA11: CN1.A43 U2.20 | length 806
  Top Layer w8: v1(2077.64,665) U2.20@2077.64,732.28
  Bottom Layer w6: 2077.64,632.36 2135,575 2244.92,575 2480.32,339.61 2480.32,330
  Bottom Layer w8: 2077.64,632.36 v1(2077.64,665) ; CN1.A43@2480.32,157.48 2480.32,330
AA12: CN1.A38 U2.9 | length 878.8
  Top Layer w8: v1(1861.1,665) U2.9@1861.1,732.28
  Bottom Layer w6: 1994.61,531.5 2003.1,523 2223.38,523 2283.47,462.92 2283.47,440.94
  Bottom Layer w8: v1(1861.1,665) 1994.61,531.5 ; CN1.A38@2283.47,157.48 2283.47,440.94
AA13: CN1.A39 U2.12 | length 846.8
  Top Layer w8: v1(1920.16,665) U2.12@1920.16,732.28
  Bottom Layer w8: v1(1920.16,665) 2049.16,536 2228.77,536 2322.84,441.93 CN1.A39@2322.84,157.48
AA14: CN1.B37 U2.5 | length 1011.5
  Top Layer w8: U2.5@1782.36,732.28 1782.36,526.64 1799,510 2218,510 2244.1,483.9 CN1.B37@2244.1,157.48
AA15: CN1.A37 U2.6 | length 912.2
  Top Layer w8: v1(1802.05,665) U2.6@1802.05,732.28
  Bottom Layer w8: v1@1801,663.95 v1(1802.05,665) 1957.05,510 2218,510 2244.1,483.9 CN1.A37@2244.1,157.48
AA16: CN1.B35 U4.12 | length 850.7
  Top Layer w6: 1375.16,433.84 1400,409 1805.76,409
  Top Layer w8: 1375.16,433.84 U4.12@1375.16,557.28 ; 1805.76,409 1889.76,325 CN1.B35@1889.76,157.48
AA17: CN1.A35 U2.3 | length 635.6
  Top Layer w8: v1(1742.99,665) U2.3@1742.99,732.28
  Bottom Layer w8: v1(1742.99,665) 1889.76,518.23 CN1.A35@1889.76,157.48
AA18: CN1.B34 U4.11 | length 839.9
  Top Layer w8: U4.11@1355.47,557.28 1355.47,418.53 1378,396 1779.39,396 1850.39,325 CN1.B34@1850.39,157.48
AA19: CN1.A34 U2.2 | length 627.4
  Top Layer w8: v1(1723.31,650) U2.2@1723.31,732.28
  Bottom Layer w8: v1(1723.31,650) 1850.39,522.91 CN1.A34@1850.39,157.48